# Altium PCB K210_Board.PcbDoc (part 2 of 2)
Units mm, origin at the board's own origin, x right, y up, seen from the top; angles counter-clockwise.
Board outline 47.14 x 33.2 mm, 4 copper layers (Top Layer, GND, PWR, Bottom Layer), stack 1.369 mm thick; 95 components, 107 nets, 519 pads, 220 vias.
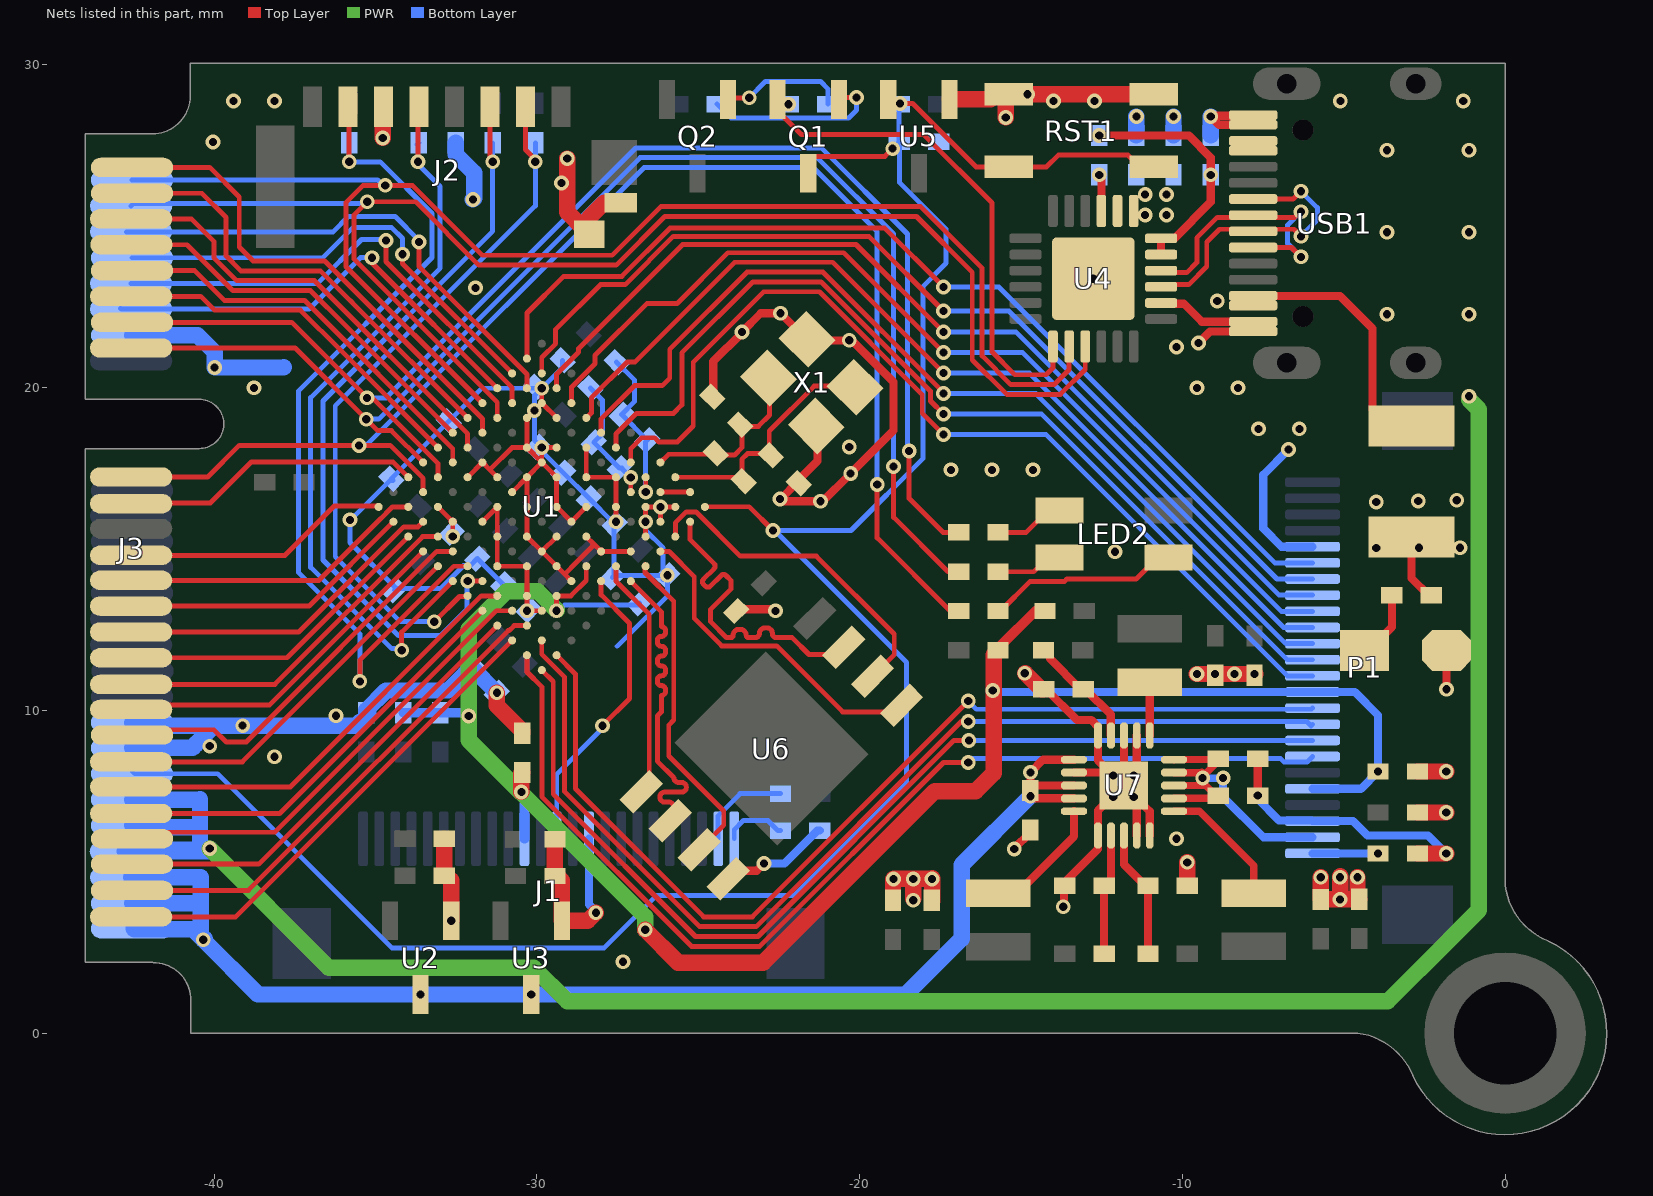
[diagram p4: the nets of this part, all layers, seen from the top]

## Via types
v1: diameter 0.457, hole 0.254, Top Layer to Bottom Layer, tented both sides, 220 vias

## Nets (pads, with @x,y where several pads share a name; then routed paths per layer and width w, separated by ;. In a path a pad name is that pad's centre, name@x,y a point inside that pad or via, vN(x,y) a via of type N, cw(c..) or ccw(c..) an arc to the next point about the centre after c; other vN are vias at no path point) (continued)
DVP_XCLK: J1.13 U1.F2 | length 9.3
  Top Layer w0.152: U1.F2@-28.009,14.004 -28.009,13.576 -27.131,12.698 -27.131,10.358 v1(-27.969,9.52)
  Bottom Layer w0.152: J1.13@-29.384,6.02 -29.384,8.021 -27.969,9.436 v1(-27.969,9.52)
FLASH_CLK: U1.K1 U6.6 | length 10.5
  Top Layer w0.152: U1.K1@-25.711,15.383 -25.711,15.811 -25.372,16.15 -25.067,16.15 -23.696,14.778 -21.34,14.778 -18.927,12.365 -18.927,11.723 U6.6@-19.596,11.053
FLASH_CS: U1.G2 U6.1 | length 7.5
  Top Layer w0.152: U1.G2@-27.549,14.464 -27.549,14.004 -26.519,12.973 -26.519,7.723 U6.1@-26.766,7.475
FLASH_IO0: U1.J1 U6.5 | length 10.4
  Top Layer w0.152: U1.J1@-26.17,14.923 -25.904,14.923 -25.124,14.143 -25.124,12.848 -24.275,11.998 -22.573,11.998 -20.527,9.952 -18.901,9.952 U6.5@-18.698,10.155
FLASH_IO1: U1.G1 U6.2 | length 10.1
  Top Layer w0.152: U1.G1@-27.09,14.004 -26.14,13.054 -26.14,12.594 cw(c-26.14,12.467) -26.013,12.467 -26.013,12.416 cw(c-26.14,12.416) -26.14,12.289 ccw(c-26.14,12.164) -26.265,12.164 -26.265,12.108 ccw(c-26.14,12.108) -26.14,11.984 cw(c-26.14,11.857) -26.013,11.857 -26.013,11.806 cw(c-26.14,11.806) -26.14,11.679 ccw(c-26.14,11.555) -26.265,11.555 -26.265,11.499 ccw(c-26.14,11.499) -26.14,11.374 cw(c-26.14,11.247) -26.013,11.247 -26.013,11.197 cw(c-26.14,11.197) -26.14,11.07 ccw(c-26.14,10.945) -26.265,10.945 -26.265,10.889 ccw(c-26.14,10.889) -26.14,10.765 cw(c-26.14,10.638) -26.013,10.638 -26.013,10.587 cw(c-26.14,10.587) -26.14,10.46 -26.14,9.949 -26.265,9.825 -26.265,8.425 -25.759,7.92 ccw(c-25.607,7.92) -25.607,7.768 -25.521,7.768 cw(c-25.521,7.615) -25.369,7.615 cw(c-25.521,7.615) -25.521,7.463 -26.04,7.463 ccw(c-26.04,7.31) -26.192,7.31 ccw(c-26.04,7.31) -26.04,7.158 -25.912,7.158 cw(c-25.912,7.006) -25.759,7.006 U6.2@-25.759,6.777
FLASH_IO2: U1.H1 U6.3 | length 10.3
  Top Layer w0.152: U1.H1@-26.648,14.524 -26.648,14.27 -25.759,13.381 -25.759,9.698 -25.915,9.542 -25.915,8.584 -24.21,6.879 -24.21,6.439 U6.3@-24.97,5.679
FLASH_IO3: U1.L1 U6.7 | length 10.2
  Top Layer w0.152: U1.L1@-25.251,15.794 -25.251,15.286 -24.507,14.542 cw(c-24.582,14.466) -24.507,14.391 -24.839,14.059 ccw(c-24.764,13.983) -24.839,13.908 -24.774,13.843 ccw(c-24.699,13.919) -24.623,13.843 -24.291,14.175 cw(c-24.216,14.1) -24.141,14.175 -23.981,14.016 -23.981,13.762 -24.616,13.127 -24.616,12.746 -24.122,12.252 -23.991,12.252 ccw(c-23.991,12.324) -23.919,12.324 cw(c-23.736,12.324) -23.736,12.507 -23.696,12.507 cw(c-23.696,12.324) -23.513,12.324 ccw(c-23.441,12.324) -23.441,12.252 -23.229,12.252 ccw(c-23.229,12.374) -23.106,12.374 cw(c-22.924,12.374) -22.924,12.557 -22.883,12.557 cw(c-22.883,12.374) -22.7,12.374 -22.7,12.368 ccw(c-22.584,12.368) -22.584,12.252 -22.09,12.252 -21.568,11.73 -20.679,11.73 U6.7@-20.552,11.857
GND: C1.1 C2.1 C3.1 C4.1 C5.2 C6.2 C7.1 C8.1 C9.2 C10.2 C11.2 C12.2 C13.2 C14.1 C15.1 C16.1 C17.1 C18.1 C19.1 C20.1 C21.2 C22.2 C23.2 C24.1 C25.1 C26.2 C27.2 C28.2 C29.2 C30.2 C31.2 C32.2 C33.2 C34.2 C35.2 C36.2 C37.1 C38.1 C39.1 C40.1 J1.15 J2.6 J2.9 J2.10 J3.14 J3.36 J3.38 LED1.2 P1.3 P1.20 R1.2 R7.1 R16.2 R22.2 R24.2 R27.2 R28.2 RST1.1 U1.C3 U1.C4 U1.C6 U1.C9 U1.C10 U1.D5 U1.D7 U1.D8 U1.E3 U1.E4 U1.E5 U1.E6 U1.E8 U1.E10 U1.F5 U1.F7 U1.F8 U1.F9 U1.F10 U1.G3 U1.G4 U1.G5 U1.G6 U1.G8 U1.H2 U1.H5 U1.H7 U1.H8 U1.H9 U1.J2 U1.J4 U1.J6 U1.J8 U1.J10 U1.K2 U1.K3 U1.K5 U1.K7 U1.K9 U1.K10 U1.L2 U2.1 U3.1 U4.2 U4.25 U5.1 U6.4 U7.1 U7.4 U7.5 U7.12 U7.13 U7.15 U7.17 U7.21 USB1.A1 USB1.A12 USB1.B1 USB1.B12 X1.2 X1.4 | length 179.7
  Top Layer w0.152: U1.C10@-33.065,16.302 U1.C9@-32.605,15.842 ; v1(-32.605,15.383) U1.C9@-32.605,15.837 ; U1.E10@-32.146,17.221 U1.F10@-31.686,17.681 -31.456,17.451 ; U1.D8@-31.686,15.842 U1.E8@-31.226,16.302 ; U1.E8@-31.226,16.302 U1.D7@-31.226,15.383 U1.C6@-31.226,14.464 U1.D5@-30.307,14.464 U1.C4@-30.307,13.544 v1@-30.307,13.085 ; U1.F9@-31.226,17.221 -31.456,17.451 ; U1.F8@-30.767,16.762 U1.G8@-30.307,17.221 ; v1(-30.307,13.085) U1.C3@-29.847,13.085 ; U1.E5@-29.847,14.923 U1.E6@-30.307,15.383 U1.F7@-30.307,16.302 U1.G8@-30.307,17.221 ; U1.H8@-29.847,17.687 v1(-29.847,18.14) ; v1(-29.847,18.14) U1.J8@-29.388,18.14 ; U1.K10@-29.847,19.525 v1(-29.847,19.979) ; U1.F5@-29.389,15.381 U1.E5@-29.847,14.923 U1.E4@-29.388,14.464 -29.14,14.216 ; U1.K9@-29.388,19.06 U1.K10@-29.847,19.519 v1(-30.077,19.29) U1.J10@-30.307,19.06 U1.H9@-30.307,18.14 ; U1.E3@-28.928,14.004 -29.14,14.216 ; U1.H5@-28.469,16.302 U1.G5@-28.928,15.842 U1.G6@-29.388,16.302 U1.H7@-29.388,17.221 U1.H8@-29.847,17.681 ; U1.K7@-28.469,18.14 U1.J6@-28.469,17.221 U1.K5@-27.549,17.221 U1.J4@-27.549,16.302 ; U1.G4@-28.469,15.383 -28.238,15.152 ; v1(-27.549,15.843) U1.J4@-27.549,16.296 ; U1.H2@-27.09,14.923 U1.G3@-28.009,14.923 -28.238,15.152 ; U1.J2@-26.63,15.383 v1(-26.63,15.843) U1.K3@-26.63,16.296 ; U1.K3@-26.63,16.302 v1(-26.171,16.302) U1.K2@-26.171,15.848 ; v1(-26.171,16.302) U1.L2@-25.711,16.302 ; -31.456,17.451 -30.767,18.14 U1.H9@-30.307,18.14 ; U1.G8@-30.307,17.221 U1.H8@-29.847,17.681 ; U1.H9@-30.307,18.14 U1.H8@-29.847,17.681 ; -29.14,14.216 -28.771,14.584 -28.771,14.589 -28.238,15.122 -28.238,15.152
  Top Layer w0.254: C13.2@-24.536,19.787 -24.536,20.803 -23.647,21.692 v1(-23.647,21.717) -23.063,22.301 v1(-22.454,22.301) -21.648,21.495 X1.4@-21.625,21.495 -21.59,21.46 -20.241,21.46 -18.948,20.168 -18.948,18.668 v1(-20.278,17.338) -20.319,17.297 -21.132,16.485 v1@-21.285,16.485 ; U6.4@-24.072,4.781 -23.824,5.029 -23.19,5.029 v1(-22.965,5.253) ; C20.1@-23.828,13.077 -23.774,13.131 -22.656,13.131 v1(-22.606,13.081) ; v1@-22.53,16.535 -22.421,16.535 -22.365,16.48 v1(-21.21,16.48) ; v1@-22.428,16.561 C10.2@-21.919,17.07 ; C10.2@-21.884,17.035 C10.2@-21.919,17.07 ; X1.2@-21.387,18.796 -21.307,18.716 -21.307,17.72 -21.938,17.089 C10.2@-21.919,17.07 ; v1(-15.21,5.704) -15.21,5.718 -14.71,6.218 C26.2@-14.71,6.279 ; C26.2@-14.837,6.152 C26.2@-14.71,6.279 ; C26.2@-14.71,6.294 C26.2@-14.71,6.279 ; R22.2@-14.294,10.651 -14.218,10.651 -13.265,9.698 -12.822,9.698 -12.611,9.487 U7.15@-12.611,9.221 -12.611,8.443 -12.462,8.294 -12.434,8.294 U7.21@-12.211,8.071 ; v1(-13.691,3.912) -13.667,3.935 -13.667,4.548 R27.2@-13.691,4.572 ; R27.2@-13.64,4.547 -13.579,4.547 -13.64,4.607 -13.64,4.674 -12.611,5.702 U7.1@-12.611,6.121 -12.611,6.899 -12.462,7.048 -12.434,7.048 -12.141,7.341 U7.21@-12.141,7.417 ; U7.17@-13.361,8.071 U7.21@-12.211,8.071 ; U7.21@-12.167,7.95 -12.167,8.026 U7.21@-12.211,8.071 ; U7.21@-11.811,8.077 U7.13@-11.811,9.221 ; U7.21@-11.481,7.29 U7.21@-11.455,7.29 ; U7.21@-11.481,7.315 U7.21@-11.455,7.29 ; U7.4@-11.411,6.121 -11.411,7.245 U7.21@-11.455,7.29 ; U7.12@-11.411,9.221 -11.411,8.185 U7.21@-11.405,8.179 ; U7.5@-11.011,6.121 -11.011,6.871 -11.43,7.29 U7.21@-11.455,7.29 ; U4.2@-10.66,22.621 -10.637,22.598 -9.958,22.598 -9.4,22.04 USB1.B12@-7.807,22.04 ; v1(-9.503,21.382) -9.145,21.74 USB1.A1@-7.807,21.74 ; USB1.B1@-7.807,28.14 -8.864,28.14 v1(-9.122,28.399) -9.101,28.419 -7.828,28.419 USB1.A12@-7.807,28.44 ; v1(-7.665,7.357) C23.2@-7.665,8.5 ; v1(-1.82,10.65) LED1.2@-1.82,11.857
  Top Layer w0.508: v1(-34.776,27.732) -34.776,28.679 J2.6@-34.753,28.702 ; C2.1@-32.869,6.015 C1.1@-32.869,4.872 -32.793,4.872 -32.654,4.733 v1(-32.654,3.48) ; v1(-31.239,10.543) -31.239,10.149 -30.458,9.368 C5.2@-30.458,9.292 ; C4.1@-29.44,6.01 C3.1@-29.44,4.867 -29.364,4.867 -29.225,4.728 U3.1@-29.225,3.48 -28.421,3.48 v1(-28.172,3.729) ; v1(-29.061,27.097) -29.061,25.435 -28.599,24.973 -28.599,24.923 -28.428,24.752 J2.9@-28.378,24.752 -28.378,25.267 -27.915,25.73 -27.606,25.73 -27.603,25.727 J2.10@-27.403,25.727 ; C40.1@-18.967,4.116 -18.967,4.757 v1(-18.948,4.775) v1(-18.339,4.775) ; v1@-18.339,4.166 v1(-18.339,4.775) ; C39.1@-17.755,4.089 v1(-17.755,4.775) ; v1@-17.755,4.801 -17.78,4.775 v1(-18.339,4.775) ; U5.1@-17.215,28.926 -15.945,28.926 -15.785,29.086 RST1.1@-15.385,29.086 ; v1(-15.472,28.367) -15.472,28.999 RST1.1@-15.385,29.086 ; v1@-14.871,11.151 -14.371,10.651 R22.2@-14.294,10.651 ; RST1.1@-10.885,29.086 v1(-14.795,29.086) RST1.1@-15.385,29.086 ; R24.2@-9.848,4.559 v1(-9.848,5.289) ; v1(-9.55,11.125) v1(-8.986,11.125) v1(-8.382,11.125) v1(-7.765,11.125) C25.1@-7.747,11.125 ; v1@-5.719,4.83 C38.1@-5.719,4.141 v1(-5.118,4.141) C37.1@-4.576,4.141 ; v1@-5.109,4.166 v1@-5.109,4.855 ; v1@-4.576,4.83 C37.1@-4.576,4.141 ; C37.1@-4.517,4.147 -4.517,4.141 C37.1@-4.576,4.141 ; R16.2@-2.718,5.563 v1(-1.828,5.563) ; C11.2@-2.718,6.833 v1(-1.828,6.833) ; C14.1@-2.718,8.103 v1(-1.828,8.103)
  Bottom Layer w0.152: C16.1@-34.456,17.123 C16.1@-34.458,17.125 ; C15.1@-34.414,13.718 C15.1@-34.36,13.772 ; C31.2@-31.047,13.904 C32.2@-31.845,14.702 -32.066,14.481 -32.273,14.481 -32.982,13.772 C15.1@-34.36,13.772 ; R28.2@-29.201,20.843 -29.201,20.625 v1(-29.847,19.979) ; C22.2@-27.664,14.118 C22.2@-27.61,14.172 ; -27.512,11.984 -25.956,13.539 v1(-25.956,14.183) C19.1@-25.967,14.172 ; v1(-26.63,15.843) -26.63,15.573 -26.089,15.032 C19.1@-26.089,14.172 ; v1@-26.191,16.281 v1(-26.171,16.302) ; C16.1@-34.458,17.125 -34.538,17.125 -35.763,15.9 v1(-35.789,15.9) -35.789,15.201 C15.1@-34.36,13.772 ; C16.1@-34.458,17.125 C16.1@-34.51,17.177 C17.1@-32.732,18.955 -31.708,19.979 v1(-29.847,19.979) ; v1(-29.847,19.979) -30.077,19.749 v1(-30.077,19.29) -30.077,18.37 v1(-29.847,18.14) -29.847,18.026 C35.2@-29.184,17.363 C29.2@-28.386,16.565 -27.664,15.843 v1(-27.549,15.843) -27.61,15.782 C22.2@-27.61,14.172 ; C22.2@-27.61,14.172 C19.1@-26.089,14.172 ; C19.1@-26.089,14.172 -26.089,14.05 C19.1@-25.967,14.172 ; C19.1@-26.089,14.172 C19.1@-25.967,14.172
  Bottom Layer w0.254: J1.15@-28.384,6.02 -28.384,3.982 -28.172,3.77 v1(-28.172,3.729) ; v1(-22.965,5.253) -22.331,5.253 -21.311,6.274 R1.2@-21.234,6.274 ; v1(-7.665,7.357) -7.665,7.247 -7.008,6.59 -5.991,6.59 P1.3@-5.968,6.567 -4.713,6.567 -4.267,6.121 -2.386,6.121 v1(-1.828,5.563) ; v1@-6.71,18.08 -7.493,17.297 -7.493,15.631 -6.929,15.067 P1.20@-5.968,15.067
  Bottom Layer w0.508: J3.38@-42.541,8.834 -40.669,8.834 -40.567,8.936 ; J3.36@-42.541,9.62 -42.509,9.652 -42.382,9.525 v1(-39.116,9.525) ; J3.14@-42.541,21.62 -40.513,21.62 -39.983,21.09 ; -40.567,8.961 -40.004,9.525 v1(-39.116,9.525) ; v1@-39.98,20.625 -39.98,21.087 -39.983,21.09 ; -37.846,20.625 -37.851,20.62 v1(-39.983,20.62) -39.983,21.09 ; R7.1@-35.284,9.927 -35.284,10.003 -34.675,10.612 -32.743,10.612 C18.1@-32.026,11.33 v1(-31.239,10.543) ; R7.1@-35.204,9.855 -35.438,9.622 -35.468,9.652 -35.595,9.525 v1(-39.116,9.525) ; C12.2@-32.512,27.584 -32.512,27.219 -31.944,26.65 -31.944,25.866 v1(-31.982,25.827) ; -15.385,29.086 v1(-14.795,29.086) ; C7.1@-11.425,27.808 v1(-11.425,28.399) ; C8.1@-10.274,27.808 v1(-10.274,28.399) ; C6.2@-9.122,27.808 v1(-9.122,28.399)
  other v1: -27.33,2.21 -18.339,4.115 -5.715,4.826 -5.118,4.826 -4.572,4.826 -10.185,6.02 -12.141,7.315 -11.506,7.315 -12.141,7.976 -11.506,7.976 -38.125,8.56 -40.132,8.89 -36.22,9.83 -14.885,11.151 -12.09,14.91 -22.47,16.543 -17.17,17.45 -15.9,17.45 -14.63,17.45 -6.709,18.08 -20.32,18.161 -7.645,18.72 -6.375,18.72 -38.76,19.99 -9.55,19.99 -8.28,19.99 -10.185,21.26 -20.32,21.463 -31.902,23.089 -12.76,23.371 -29.235,26.34 -40.03,27.61 -39.395,28.88 -38.125,28.88 -13.995,28.88 -12.725,28.88 -5.105,28.88 -1.295,28.88
IO_6: J3.1 U1.G11 | length 15.4
  Top Layer w0.152: J3.1@-42.541,26.82 -40.138,26.82 -39.221,25.903 -39.221,24.353 -38.79,23.922 -36.577,23.922 -35.03,22.375 -35.03,22.373 -31.686,19.028 U1.G11@-31.686,18.6
IO_7: J3.3 U1.G12 | length 14.1
  Top Layer w0.152: J3.3@-42.541,26.02 -40.38,26.02 -39.628,25.268 -39.628,24.074 -39.17,23.617 -36.706,23.617 -35.791,22.703 ; -35.712,22.627 -35.789,22.703 -35.791,22.703 ; U1.G12@-32.146,19.06 -32.148,19.06 -35.714,22.625 -35.791,22.703
IO_8: J3.5 U1.F11 | length 13.9
  Top Layer w0.152: J3.5@-42.57,25.227 -40.704,25.227 -40.009,24.532 -40.009,24.024 -39.297,23.312 -36.889,23.312 -32.146,18.569 U1.F11@-32.146,18.14
IO_9: J3.7 U1.F12 | length 12.4
  Top Layer w0.152: J3.7@-42.562,24.425 -40.84,24.425 -39.423,23.008 -37.015,23.008 -35.923,21.915 -35.92,21.915 U1.F12@-32.605,18.6
IO_10: J3.9 U1.E11 | length 12.6
  Top Layer w0.152: J3.9@-42.541,23.62 -40.598,23.62 -39.681,22.703 -37.199,22.703 -32.605,18.109 U1.E11@-32.605,17.681
IO_11: J3.11 U1.E12 | length 11.4
  Top Layer w0.152: J3.11@-42.57,22.827 -40.412,22.827 -39.983,22.398 -37.325,22.398 -36.081,21.153 -36.078,21.153 U1.E12@-33.065,18.14
IO_12: J3.13 R18.2 U1.D11 | length 43
  Top Layer w0.152: J3.13@-42.541,22.02 -37.599,22.02 v1(-35.259,19.68) -35.096,19.68 -33.065,17.649 U1.D11@-33.065,17.221 ; v1(-18.466,18.034) -18.466,16.561 -17.416,15.511 R18.2@-16.929,15.511
  Bottom Layer w0.152: v1(-35.259,19.68) -34.674,19.68 -26.927,27.427 -21.188,27.427 -18.517,24.756 -18.517,18.085 v1(-18.466,18.034)
IO_13: J3.15 R19.2 U1.D12 | length 42.7
  Top Layer w0.152: J3.15@-42.57,21.227 -37.492,21.227 v1(-35.284,19.02) -34.929,18.664 -34.508,18.664 U1.D12@-33.524,17.681 ; v1(-18.948,17.551) -18.948,15.977 -17.264,14.292 R19.2@-16.929,14.292
  Bottom Layer w0.152: v1(-35.284,19.02) -34.903,19.02 -26.8,27.122 -21.314,27.122 -18.948,24.757 v1(-18.948,17.551)
IO_14: J3.17 R20.2 U1.C11 | length 43.7
  Top Layer w0.152: J3.17@-42.57,17.227 -40.201,17.227 -39.221,18.207 v1(-35.513,18.207) -34.542,18.207 -33.524,17.19 U1.C11@-33.524,16.762 ; v1(-19.456,16.993) -19.456,15.342 -17.192,13.077 R20.2@-16.929,13.077
  Bottom Layer w0.152: v1(-35.513,18.207) -35.285,18.207 -26.674,26.818 -21.44,26.818 -19.456,24.834 v1(-19.456,16.993)
IO_15: J3.19 U1.C12 | length 9.3
  Top Layer w0.152: J3.19@-42.57,16.402 -42.544,16.429 -40.11,16.429 -38.84,17.699 -34.462,17.699 U1.C12@-33.984,17.221
IO_17: J3.23 U1.A12 | length 8.3
  Top Layer w0.152: J3.23@-42.57,14.802 -37.801,14.802 -36.271,16.332 -34.933,16.332 U1.A12@-34.903,16.302
IO_18: J3.25 U1.B11 | length 9.5
  Top Layer w0.152: J3.25@-42.57,14.027 -36.75,14.027 -34.829,15.948 -34.826,15.948 -34.55,16.225 -34.55,16.227 -34.475,16.302 U1.B11@-33.984,16.302
IO_19: J3.27 U1.A11 | length 9.2
  Top Layer w0.152: J3.27@-42.57,13.227 -37.059,13.227 U1.A11@-34.444,15.842
IO_20: J3.29 U1.B10 | length 10.5
  Top Layer w0.152: J3.29@-42.57,12.427 -37.381,12.427 -34.123,15.686 -33.681,15.686 U1.B10@-33.524,15.842
IO_21: J3.31 U1.A10 | length 10.1
  Top Layer w0.152: J3.31@-42.57,11.627 -37.74,11.627 U1.A10@-33.984,15.383
IO_22: J3.33 U1.B9 | length 11.4
  Top Layer w0.152: J3.33@-42.57,10.802 -38.118,10.802 -33.538,15.383 U1.B9@-33.065,15.383
IO_23: J3.35 U1.A9 | length 11.1
  Top Layer w0.152: J3.35@-42.57,10.027 -42.437,10.16 -38.288,10.16 U1.A9@-33.524,14.923
IO_24: J3.37 U1.B8 | length 12.6
  Top Layer w0.152: J3.37@-42.52,9.246 -42.367,9.398 -40.005,9.398 -39.624,9.017 -39.002,9.017 -33.096,14.923 U1.B8@-32.605,14.923
IO_25: J3.39 U1.A8 | length 12
  Top Layer w0.152: J3.39@-42.57,8.402 -39.126,8.402 U1.A8@-33.065,14.464
IO_26: J2.7 R17.2 U1.B7 | length 27.7
  Top Layer w0.152: J2.7@-35.853,28.702 -35.814,28.663 v1(-35.814,26.994) ; v1(-35.484,10.897) -35.484,11.553 -32.574,14.464 U1.B7@-32.146,14.464
  Bottom Layer w0.152: R17.2@-35.814,27.584 v1(-35.814,26.994) -34.852,26.994 -33.249,25.391 -33.249,24.028 -37.389,19.888 -37.389,14.275 -35.484,12.37 v1(-35.484,10.897)
IO_27: J2.5 R15.2 U1.A7 | length 23.5
  Top Layer w0.152: v1@-34.188,11.913 -34.188,12.421 U1.A7@-32.605,14.004 ; v1(-33.684,26.994) -33.684,28.671 J2.5@-33.653,28.702
  Bottom Layer w0.152: v1(-34.188,11.862) -34.237,11.91 -34.491,11.91 -37.008,14.427 -37.008,19.685 -32.995,23.698 -32.995,26.229 -33.684,26.918 v1(-33.684,26.994) -33.684,27.505 -33.709,27.53 R15.2@-33.655,27.584
IO_28: J2.3 R14.2 U1.B6 | length 24
  Top Layer w0.152: v1(-32.139,14.004) U1.B6@-31.686,14.004 ; U1.B6@-31.698,14.016 U1.B6@-31.686,14.004 ; U1.B6@-31.68,14.004 U1.B6@-31.686,14.004 ; J2.3@-31.453,28.702 -31.453,27.147 -31.369,27.063 v1(-31.369,26.994)
  Bottom Layer w0.152: v1(-32.139,14.004) -32.16,13.983 -32.16,13.151 -32.997,12.314 -34.285,12.314 -36.627,14.656 -36.627,19.583 -31.369,24.841 v1(-31.369,26.994) R14.2@-31.369,27.584
IO_29: J2.2 R12.2 U1.A6 | length 22.5
  Top Layer w0.152: v1(-33.176,12.746) -32.396,13.526 -32.164,13.526 U1.A6@-32.146,13.544 ; J2.2@-30.353,28.702 -30.353,27.368 -30.048,27.063 v1(-30.048,26.994)
  Bottom Layer w0.152: v1(-33.176,12.746) -34.232,12.746 -36.246,14.76 -36.246,19.431 -30.048,25.629 v1(-30.048,26.994) R12.2@-30.048,27.584
IO_30: J3.41 U1.B5 | length 13.8
  Top Layer w0.152: J3.41@-42.57,7.627 -37.635,7.627 -31.717,13.544 U1.B5@-31.226,13.544
IO_31: J3.43 U1.A5 | length 13.5
  Top Layer w0.152: J3.43@-42.57,6.802 -37.968,6.802 U1.A5@-31.686,13.085
IO_32: J3.45 U1.B4 | length 14.7
  Top Layer w0.152: J3.45@-42.541,6.02 -42.338,6.223 -38.119,6.223 -31.258,13.085 U1.B4@-30.767,13.085
IO_33: J3.47 U1.A4 | length 14.4
  Top Layer w0.152: J3.47@-42.541,5.234 -38.617,5.234 U1.A4@-31.226,12.625
IO_34: J3.49 U1.B3 | length 15.6
  Top Layer w0.152: J3.49@-42.541,4.42 -38.94,4.42 -30.892,12.468 -30.863,12.468 -30.706,12.625 U1.B3@-30.307,12.625
IO_35: J3.51 U1.A3 | length 15.4
  Top Layer w0.152: J3.51@-42.57,3.602 -39.33,3.602 U1.A3@-30.767,12.165
IO_36: P1.7 U1.A2 | length 32.9
  Top Layer w0.152: U1.A2@-30.307,11.706 -30.307,11.186 -29.846,10.725 -29.846,7.323 -25.21,2.688 -23.094,2.688 -17.4,8.382 v1(-16.637,8.382)
  Bottom Layer w0.152: v1(-16.637,8.382) -16.51,8.509 -6.963,8.509 -6.848,8.395 -6.141,8.395 P1.7@-5.968,8.567
IO_37: P1.8 U1.A1 | length 31.9
  Top Layer w0.152: U1.A1@-29.847,11.246 -29.493,10.892 -29.493,7.401 -25.084,2.992 -23.149,2.992 -17.078,9.063 v1(-16.615,9.063)
  Bottom Layer w0.152: v1(-16.615,9.063) -5.972,9.063 P1.8@-5.968,9.067
IO_38: P1.9 U1.B2 | length 32.6
  Top Layer w0.152: U1.B2@-29.847,12.165 -29.847,11.737 -29.137,11.027 -29.137,7.477 -24.958,3.297 -23.203,3.297 -16.848,9.652 v1(-16.637,9.652)
  Bottom Layer w0.152: v1(-16.637,9.652) -6.147,9.652 -6.015,9.52 P1.9@-5.968,9.567
IO_39: P1.10 U1.B1 | length 31.7
  Top Layer w0.152: U1.B1@-29.388,11.706 -28.807,11.125 -28.807,7.578 -24.832,3.602 -23.322,3.602 v1(-16.637,10.287)
  Bottom Layer w0.152: v1(-16.637,10.287) -16.383,10.033 -6.002,10.033 P1.10@-5.968,10.067
ISP_RX: J3.4 U1.H11 U4.21 | length 44.8
  Top Layer w0.152: v1@-35.255,25.73 v1@-35.306,25.73 ; U1.H11@-31.226,19.06 -31.226,19.543 -35.662,23.978 -35.662,25.349 -35.306,25.705 v1@-35.306,25.73 ; U4.21@-13.01,21.271 -13.01,20.557 -13.781,19.787 -15.442,19.787 -16.51,20.855 -16.51,23.571 -18.237,25.298 -26.036,25.298 -27.54,23.794 -31.795,23.794 -33.757,25.756 v1(-35.255,25.756) -35.281,25.756 v1@-35.306,25.73
  Bottom Layer w0.152: J3.4@-42.57,25.627 -42.49,25.707 -35.253,25.707 v1@-35.204,25.756
ISP_TX: J3.2 U1.H12 U4.20 | length 44.8
  Top Layer w0.152: v1@-34.696,26.238 -34.722,26.264 -35.382,26.264 -35.916,25.73 -35.916,23.749 U1.H12@-31.686,19.519 ; v1(-34.696,26.264) -33.858,26.264 -31.693,24.099 -27.667,24.099 -26.162,25.603 -18.11,25.603 -16.205,23.698 ; -16.205,23.697 -16.205,20.981 -15.315,20.091 -13.976,20.091 -13.51,20.557 U4.20@-13.51,21.271
  Bottom Layer w0.152: J3.2@-42.541,26.434 -34.936,26.434 -34.791,26.289 v1@-34.696,26.289
JTAG_TCK: J3.6 U1.K11 | length 15.5
  Top Layer w0.152: v1(-33.655,24.511) -33.655,23.755 -30.307,20.407 U1.K11@-30.307,19.979
  Bottom Layer w0.152: J3.6@-42.723,24.816 -36.322,24.816 -35.839,25.298 -34.388,25.298 -33.655,24.565 v1(-33.655,24.511)
JTAG_TDI: J3.8 U1.K12 | length 14.6
  Top Layer w0.152: v1(-34.163,24.13) -34.163,23.835 U1.K12@-30.767,20.439
  Bottom Layer w0.152: J3.8@-42.541,24.02 J3.8@-42.541,24.02 -36.635,24.02 -35.692,24.963 -34.506,24.963 -34.163,24.62 v1(-34.163,24.13) v1@-34.265,24.028
JTAG_TDO: J3.12 U1.J12 | length 14.1
  Top Layer w0.152: v1(-35.106,24.024) -35.106,23.859 U1.J12@-31.226,19.979
  Bottom Layer w0.152: J3.12@-42.901,22.454 -42.874,22.427 J3.12@-42.57,22.427 -40.741,22.427 -40.74,22.428 -37.059,22.428 -35.463,24.024 v1(-35.106,24.024)
JTAG_TMS: J3.10 U1.J11 | length 15.2
  Top Layer w0.152: v1(-34.675,24.557) -34.675,23.9 -30.767,19.992 U1.J11@-30.767,19.519
  Bottom Layer w0.152: J3.10@-42.57,23.227 -36.793,23.227 -35.433,24.587 -34.798,24.587 -34.772,24.613 v1@-34.62,24.613
NetC6_1: C6.1 R6.2 U4.5 U4.6 | length 7.6
  Top Layer w0.254: v1(-12.577,27.808) -9.8,27.808 -9.122,27.131 v1(-9.122,26.589) -9.122,25.745 -10.246,24.621 U4.6@-10.66,24.621 U4.5@-10.66,24.121
NetC10_1: C10.1 R9.2 U1.M3 X1.3 | length 7.7
  Top Layer w0.152: U1.M3@-25.711,17.221 -23.774,17.221 -23.704,17.151 R9.2@-23.649,17.151 ; R9.2@-23.596,17.097 R9.2@-23.649,17.151 ; R9.2@-23.571,17.12 -23.603,17.151 R9.2@-23.649,17.151 ; C10.1@-22.86,17.932 -22.878,17.951 -23.473,17.951 -23.649,17.774 R9.2@-23.649,17.151 ; C10.1@-22.746,17.897 -22.8,17.951 -22.8,18.653 -21.407,20.046 -20.376,20.046 X1.3@-20.269,19.939
NetC13_1: C13.1 R9.1 U1.M4 X1.1 | length 5.7
  Top Layer w0.152: U1.M4@-26.17,17.681 -25.919,17.932 R9.1@-24.511,17.932 ; R9.1@-24.511,17.905 R9.1@-24.404,17.905 ; R9.1@-24.458,17.959 R9.1@-24.404,17.905 ; C13.1@-23.7,18.851 -23.647,18.797 -23.138,18.797 -22.792,19.144 -22.792,20.226 X1.1@-22.86,20.295 ; C13.1@-23.647,18.744 -23.647,18.136 -23.878,17.905 R9.1@-24.404,17.905
NetC41_1: C41.1 C42.1 R25.1 U1.L4 | length 5.2
  Top Layer w0.152: U1.L4@-26.63,17.221 -26.623,17.214 U1.L4@-26.623,17.22 ; v1(-26.626,16.764) U1.L4@-26.626,17.218
  Bottom Layer w0.152: R25.1@-27.531,20.789 -26.978,20.237 -26.978,19.562 C42.1@-27.376,19.165 C41.1@-26.578,18.367 -26.632,18.313 -26.632,16.77 v1@-26.623,16.761
NetC41_2: C41.2 C42.2 R28.1 U1.K4 | length 4
  Top Layer w0.152: U1.K4@-27.09,16.756 U1.K4@-27.09,16.762 ; v1(-27.09,17.215) U1.K4@-27.09,16.762 ; U1.K4@-27.08,16.771 U1.K4@-27.09,16.762
  Bottom Layer w0.152: R28.1@-28.339,19.981 -27.966,19.608 -27.966,18.574 C42.2@-28.238,18.302 C41.2@-27.44,17.505 C41.2@-27.379,17.505 ; C41.2@-27.368,17.505 C41.2@-27.379,17.505 ; v1(-27.09,17.215) C41.2@-27.379,17.505
NetJ1_23: J1.23 R2.1 | length 2.9
  Bottom Layer w0.152: J1.23@-24.384,6.02 -24.384,6.733 -23.701,7.417 R2.1@-22.454,7.417
NetJ1_24: J1.24 R1.1 | length 2
  Bottom Layer w0.152: J1.24@-23.884,6.02 -23.884,6.301 -23.6,6.585 -22.841,6.585 -22.53,6.274 R1.1@-22.454,6.274
NetL1_1: L1.1 U7.11 | length 1.7
  Top Layer w0.254: L1.1@-11.018,10.875 -11.011,10.868 U7.11@-11.011,9.221
NetL2_1: L2.1 U7.6 | length 4
  Top Layer w0.229: U7.6@-10.261,6.871 -9.47,6.871 -7.791,5.192 L2.1@-7.791,4.334
NetL3_1: L3.1 U7.20 | length 3.8
  Top Layer w0.254: L3.1@-15.701,4.331 -15.126,4.331 -13.361,6.096 U7.20@-13.361,6.871
NetLED1_1: LED1.1 R13.2 | length 2.1
  Top Layer w0.254: LED1.1@-4.36,11.857 -4.233,11.857 -3.509,12.581 R13.2@-3.509,13.559
NetLED2_1: LED2.1 R18.1 | length 2.2
  Top Layer w0.152: R18.1@-15.71,15.511 -14.836,15.511 -14.159,16.189 LED2.1@-13.809,16.189
NetLED2_2: LED2.2 R19.1 | length 2.1
  Top Layer w0.152: R19.1@-15.71,14.292 -14.606,14.292 -14.159,14.739 LED2.2@-13.809,14.739
NetLED2_3: LED2.3 R20.1 | length 6
  Top Layer w0.152: R20.1@-15.71,13.077 -15.634,13.077 -14.716,13.995 -13.648,13.995 -13.577,14.067 -11.434,14.067 -10.762,14.739 LED2.3@-10.43,14.739
NetP1_1: P1.1 R16.1 | length 2
  Bottom Layer w0.254: P1.1@-5.968,5.567 v1(-3.941,5.567)
NetQ1_1: Q1.1 R10.2 | length 5.6
  Top Layer w0.152: Q1.1@-20.644,28.926 -20.587,28.983 v1(-20.094,28.983)
  Bottom Layer w0.152: R10.2@-24.413,28.78 -23.981,28.348 -20.343,28.348 -20.094,28.597 v1(-20.094,28.983)
NetQ2_1: Q2.1 R11.2 | length 4.1
  Top Layer w0.152: Q2.1@-24.073,28.926 -24.073,29.135 -23.914,28.977 v1(-23.422,28.977)
  Bottom Layer w0.152: v1(-23.422,28.977) -22.914,29.485 -21.213,29.485 -20.984,29.256 R11.2@-20.984,28.78
NetR6_1: R6.1 U4.9 | length 1.1
  Top Layer w0.254: v1(-12.577,26.589) -12.577,26.548 -12.51,26.481 U4.9@-12.51,25.471
NetR21_1: R21.1 R22.1 U7.14 | length 3.6
  Top Layer w0.254: R21.1@-14.304,11.857 -14.228,11.857 -14.101,11.73 -14.101,11.6 -13.151,10.651 R22.1@-13.075,10.651 -12.999,10.651 -12.218,9.87 -12.218,9.228 U7.14@-12.211,9.221
NetR23_1: R23.1 R24.1 U7.3 | length 4
  Top Layer w0.254: U7.3@-11.811,6.121 -11.811,5.226 -11.144,4.559 R24.1@-11.068,4.559 R23.1@-11.068,2.46
NetR26_1: R26.1 R27.1 U7.2 | length 3.8
  Top Layer w0.254: R26.1@-12.424,2.457 R27.1@-12.424,4.559 -12.348,4.559 -12.211,4.696 U7.2@-12.211,6.121
NetU1_L3: U1.L3 U1.M2 | length 0.9
  Top Layer w0.152: U1.L3@-26.17,16.762 U1.M2@-25.251,16.762
RESETN: C9.1 J3.40 Q1.3 R8.1 RST1.2 U1.M1 U5.2 | length 70.6
  Top Layer w0.152: U1.M1@-24.792,16.305 -24.79,16.307 -23.419,16.307 v1(-22.682,15.57) ; Q1.3@-21.594,26.64 -21.594,26.99 -21.42,27.164 -19.216,27.164 v1(-18.977,27.402) ; U5.2@-19.115,28.926 -18.988,28.799 v1(-18.749,28.799) -18.359,28.799 -16.396,26.836 RST1.2@-15.385,26.836 -14.21,26.836 -13.847,27.199 -11.685,27.199 -11.322,26.836 RST1.2@-10.885,26.836
  Bottom Layer w0.152: J3.40@-42.523,8.098 -42.459,8.034 -39.886,8.034 -34.493,2.642 -27.915,2.642 -26.289,4.267 -22.022,4.267 -18.542,7.747 -18.542,11.481 v1@-22.631,15.57 ; v1(-22.682,15.57) v1@-22.631,15.57 ; C9.1@-18.999,27.407 -18.974,27.407 C9.1@-18.771,27.61 ; R8.1@-18.774,28.78 -18.774,27.613 C9.1@-18.771,27.61 ; C9.1@-18.745,27.584 C9.1@-18.771,27.61 ; v1@-22.631,15.57 -20.268,15.57 -18.034,17.804 -18.034,23.139 -17.323,23.851 -17.323,24.908 -18.771,26.356 C9.1@-18.771,27.61
RTS: Q1.2 R11.1 U4.19 | length 16.1
  Top Layer w0.152: v1(-22.203,28.78) -22.397,28.78 Q1.2@-22.544,28.926 -22.544,28.576 -21.801,27.834 -18.012,27.834 -15.9,25.722 -15.9,21.107 -15.189,20.396 -14.224,20.396 -14.01,20.61 U4.19@-14.01,21.271
SPI0_D0: P1.19 U1.L12 | length 31.1
  Top Layer w0.152: U1.L12@-30.307,20.898 -30.307,22.309 -29.172,23.444 -27.368,23.444 -25.874,24.938 -19.223,24.938 v1(-17.399,23.114)
  Bottom Layer w0.152: v1(-17.399,23.114) -15.686,23.114 -7.138,14.567 P1.19@-5.968,14.567
SPI0_D1: P1.18 U1.L11 | length 30.6
  Top Layer w0.152: U1.L11@-29.847,20.439 -29.847,20.93 -29.418,21.359 -29.418,21.801 -28.029,23.19 -27.263,23.19 -25.769,24.684 -19.714,24.684 v1(-17.403,22.373)
  Bottom Layer w0.152: v1(-17.403,22.373) -15.375,22.373 -7.069,14.067 P1.18@-5.968,14.067
SPI0_D2: P1.17 U1.L10 | length 30.1
  Top Layer w0.152: U1.L10@-29.388,19.979 -29.388,20.42 -28.706,21.103 -28.706,21.209 -25.484,24.43 -20.112,24.43 v1(-17.399,21.717)
  Bottom Layer w0.152: v1(-17.399,21.717) -15.151,21.717 -7,13.567 P1.17@-5.968,13.567
SPI0_D3: P1.16 U1.L9 | length 29.9
  Top Layer w0.152: U1.L9@-28.928,19.519 -28.928,20.01 -28.198,20.741 -28.198,20.998 -26.595,22.601 -25.659,22.601 -24.084,24.176 -20.493,24.176 v1(-17.399,21.082)
  Bottom Layer w0.152: v1(-17.399,21.082) -14.947,21.082 -6.931,13.067 P1.16@-5.968,13.067
SPI0_D4: P1.15 U1.L8 | length 29.5
  Top Layer w0.152: U1.L8@-28.469,19.06 -28.464,19.06 -28.312,19.212 -28.312,19.678 -27.192,20.798 -26.954,20.798 -23.871,23.881 -20.833,23.881 v1(-17.399,20.447)
  Bottom Layer w0.152: v1(-17.399,20.447) -14.743,20.447 -6.862,12.567 P1.15@-5.968,12.567
SPI0_D5: P1.14 U1.L7 | length 29.7
  Top Layer w0.152: U1.L7@-28.009,18.6 -28.009,18.613 -28.016,18.62 -28.016,19.021 -26.976,20.061 -26.115,20.061 -25.883,20.293 -25.883,21.184 -23.49,23.576 -21.136,23.576 -17.399,19.84 v1(-17.399,19.812)
  Bottom Layer w0.152: v1(-17.399,19.812) -14.539,19.812 -6.793,12.067 P1.14@-5.968,12.067
SPI0_D6: P1.13 U1.L6 | length 29.9
  Top Layer w0.152: U1.L6@-27.549,18.14 -27.549,18.569 -26.921,19.198 -25.769,19.198 -25.505,19.461 -25.505,21.078 -23.312,23.272 -21.19,23.272 -17.805,19.887 -17.805,19.583 v1(-17.399,19.177)
  Bottom Layer w0.152: v1(-17.399,19.177) -14.358,19.177 -6.748,11.567 P1.13@-5.968,11.567
SPI0_D7: P1.12 U1.L5 | length 30.1
  Top Layer w0.152: U1.L5@-27.072,17.699 U1.L5@-27.09,17.681 -27.09,18.109 -26.756,18.443 -26.351,18.443 -26.222,18.314 -25.647,18.314 -25.153,18.807 -25.153,20.786 -22.972,22.967 -21.245,22.967 -18.059,19.781 -18.059,19.202 v1(-17.399,18.542)
  Bottom Layer w0.152: v1(-17.399,18.542) -14.223,18.542 -6.748,11.067 P1.12@-5.968,11.067
USB-PWR-DM: U4.4 USB1.A7 USB1.B7 | length 9
  Top Layer w0.152: U4.4@-10.66,23.621 -10.597,23.558 -9.867,23.558 -9.55,23.875 -9.55,24.638 -8.915,25.273 -7.874,25.273 USB1.A7@-7.807,25.34 -7.739,25.273 -6.528,25.273 -6.355,25.446 v1(-6.328,25.446) ; USB1.B7@-7.807,24.34 -6.62,24.34 v1(-6.328,24.049)
  Bottom Layer w0.152: v1(-6.328,24.049) -6.742,24.463 -6.742,25.032 v1(-6.328,25.446)
USB-PWR-DP: U4.3 USB1.A6 USB1.B6 | length 9.1
  Top Layer w0.152: U4.3@-10.66,23.121 -10.591,23.19 -9.804,23.19 -9.246,23.749 -9.246,24.511 -8.852,24.905 -7.871,24.905 USB1.A6@-7.807,24.84 -7.742,24.905 -6.54,24.905 -6.328,24.692 v1(-6.328,24.684) ; USB1.B6@-7.807,25.84 -6.569,25.84 v1(-6.328,26.081)
  Bottom Layer w0.152: v1(-6.328,24.684) -5.82,25.192 -5.82,25.573 v1(-6.328,26.081)
VBUS: C7.2 C8.2 F1.1 J3.42 J3.44 J3.46 U4.7 U4.8 USB1.A4 USB1.A9 USB1.B4 USB1.B9 | length 77.5
  Top Layer w0.254: USB1.A4@-7.807,22.54 USB1.B9@-7.807,22.8 ; USB1.B9@-7.807,22.84 USB1.B9@-7.807,22.8 ; F1.1@-2.899,18.804 -3.598,18.804 -4.106,19.312 -4.106,21.826 -5.114,22.835 -7.772,22.835 USB1.B9@-7.807,22.8
  PWR w0.508: v1(-40.132,5.715) -36.444,2.027 -30.094,2.027 -29.053,0.986 -3.634,0.986 -1.727,2.893 -1.727,2.896 -0.813,3.81 -0.813,19.321 v1@-1.121,19.629
  Bottom Layer w0.508: J3.46@-42.777,5.634 -42.772,5.629 J3.46@-42.631,5.629 ; J3.46@-42.672,5.588 J3.46@-42.631,5.629 ; J3.44@-42.541,6.434 -42.482,6.375 -40.437,6.375 ; J3.42@-42.541,7.234 -40.437,7.234 ; -40.437,7.239 -40.437,7.234 ; v1(-40.132,5.715) -40.218,5.629 J3.46@-42.579,5.629 ; J3.46@-42.631,5.629 J3.46@-42.579,5.629 ; J3.46@-42.579,5.629 -42.523,5.685 -40.433,5.685 -40.437,5.688 -40.437,6.375 ; -40.437,6.375 -40.437,7.234
  other v1: -1.121,19.731 -3.661,22.271 -1.121,22.271 -8.919,22.677 -3.661,24.811 -1.121,24.811 -11.154,25.344 -10.494,25.344 -11.154,25.979 -10.494,25.979 -3.661,27.351 -1.121,27.351
VCC_BANK: C5.1 C14.2 C19.2 J1.11 P1.5 P1.11 R3.2 R5.2 R29.1 R30.2 U1.D3 U1.F3 | length 59.7
  Top Layer w0.152: v1(-29.388,13.085) U1.D3@-29.388,13.538 ; U1.D3@-29.388,13.544 -28.945,13.544 -28.469,14.021 U1.F3@-28.469,14.464
  Top Layer w0.305: R30.2@-15.71,11.857 R30.2@-15.634,11.857 ; R30.2@-15.65,11.841 R30.2@-15.634,11.857 ; R29.1@-14.259,13.077 -14.262,13.081 -14.554,13.081 -15.634,12.001 R30.2@-15.634,11.857
  Top Layer w0.508: v1(-30.48,7.468) -30.48,8.051 C5.1@-30.458,8.072 ; v1(-26.645,3.2) -25.629,2.184 -22.987,2.184 -17.678,7.493 -16.407,7.493 -15.85,8.051 -15.85,11.718 R30.2@-15.71,11.857
  PWR w0.508: v1(-32.109,9.825) -32.109,12.519 -30.937,13.691 -29.972,13.691 v1@-29.388,13.106 ; v1@-32.106,9.83 -32.106,9.068 -30.505,7.468 v1(-30.48,7.468) -30.48,7.442 -26.645,3.607 v1(-26.645,3.2)
  Bottom Layer w0.152: v1(-29.388,13.085) -29.319,13.085 -29.138,13.267 -26.872,13.267 C19.2@-26.818,13.321
  Bottom Layer w0.254: v1(-15.875,10.617) -15.824,10.566 P1.11@-5.968,10.567 ; P1.5@-5.968,7.567 -4.473,7.567 v1(-3.937,8.103) -3.937,9.847 -4.657,10.566 P1.11@-5.968,10.567
  Bottom Layer w0.305: R5.2@-34.141,9.927 R3.2@-32.998,9.927 -32.211,9.927 v1(-32.109,9.825) ; v1(-30.48,7.468) -30.384,7.372 J1.11@-30.384,6.02
VIN: C23.1 C26.1 C27.1 F1.2 J3.48 J3.50 J3.52 P1.2 R13.1 U2.3 U3.3 U7.7 U7.8 U7.9 U7.10 U7.16 U7.18 U7.19 | length 59.3
  Top Layer w0.229: U7.7@-10.261,7.271 -10.255,7.277 -8.929,7.277 C27.1@-8.839,7.366 ; U7.8@-10.261,7.671 -9.274,7.671 -8.97,7.366 C27.1@-8.89,7.366 ; U7.9@-10.261,8.071 -9.404,8.071 v1@-9.398,8.077 ; U7.10@-10.261,8.471 -10.255,8.476 -8.934,8.476 -8.915,8.458 -8.966,8.407 -8.941,8.382 -9.373,7.95 v1(-9.373,7.899)
  Top Layer w0.254: U7.19@-13.361,7.271 -13.368,7.278 -14.728,7.278 C26.1@-14.786,7.336 ; U7.18@-13.361,7.671 -14.71,7.671 v1(-14.71,7.336) C26.1@-14.786,7.336 ; U7.16@-13.361,8.471 -14.313,8.471 v1(-14.707,8.077) -14.707,7.416 C26.1@-14.786,7.336 ; F1.2@-2.899,15.375 -2.899,14.092 -2.366,13.559 R13.1@-2.29,13.559
  Bottom Layer w0.152: J3.48@-42.57,4.827 J3.48@-42.556,4.812 ; J3.50@-42.556,3.99 J3.50@-42.541,3.975 ; J3.52@-42.541,3.234 -42.485,3.234 -40.733,3.234 -40.715,3.216 -40.39,2.891 v1(-40.339,2.891) ; J3.50@-42.541,4.02 J3.50@-42.541,3.975 ; J3.50@-42.523,3.958 J3.50@-42.541,3.975
  Bottom Layer w0.229: v1(-9.373,7.899) v1(-8.738,7.899) v1@-8.712,7.899
  Bottom Layer w0.254: v1(-8.738,7.899) -8.738,7.315 -7.489,6.067 P1.2@-5.968,6.067
  Bottom Layer w0.508: J3.48@-42.57,4.827 -40.412,4.827 ; J3.50@-42.541,4.02 -40.452,4.02 -40.415,3.983 ; J3.52@-42.498,3.246 -42.485,3.234 -42.468,3.216 -40.715,3.216 -40.664,3.216 v1(-40.339,2.891) -38.642,1.194 v1(-33.604,1.194) v1(-30.175,1.194) -18.567,1.194 -16.84,2.921 -16.84,5.207 v1@-14.711,7.336 ; -40.415,4.529 -40.415,3.983 ; -40.411,4.547 -40.412,4.548 -40.412,4.827 ; -40.411,4.826 -40.412,4.827 ; v1@-40.288,2.916 -40.415,3.043 -40.415,3.983
  other v1: -3.991,15.032 -2.667,15.037 -1.397,15.037 -3.991,16.454 -2.692,16.485 -1.499,16.51
pads on no net: J1.1 J1.P0 J2.1 J2.8 J2.G1 J2.G2 J3.16 J3.18 J3.20 J3.22 J3.24 J3.26 J3.28 J3.30 J3.32 J3.34 P1.6 P1.21 P1.22 P1.23 P1.24 P1.P0 U4.1 U4.10 U4.11 U4.12 U4.13 U4.14 U4.15 U4.16 U4.17 U4.18 U4.22 U4.24 U6.9 USB1.0 USB1.1 USB1.2 USB1.3 USB1.4 USB1.A5 USB1.A8 USB1.B5 USB1.B8

## Polygon pours and split planes (outlines as drawn)
3V3 on PWR "PWR-3V3" (solid, remove dead copper, pour order 52): -43.993,30.098 -43.993,-0.127 0.127,-0.127 0,30.048
VBUS on PWR "PWR-VBUS" (solid, remove dead copper, pour order 36): -10.084,26.441 -10.109,26.467 -11.811,26.467 -11.811,24.968 -11.735,24.892 -9.322,24.892 -9.322,21.793 -4.851,21.793 -4.851,18.263 -0.33,18.263 -0.305,18.237 -0.279,18.263 -0.279,29.845 -8.89,29.845 -8.788,29.743 -8.788,26.467
0V9 on PWR "PWR-0V9" (solid, remove dead copper, pour order 16): -29.769,22.277 -30.895,22.277 -32.455,20.717 -32.455,16.174 -32.077,15.796 -31.37,15.796 -31.204,15.63 -31.204,14.923 -29.826,13.544 -28.556,13.544 -20.806,5.795 -20.806,2.032 -19.276,2.032 -19.276,6.271 -24.714,11.709 -28.129,15.124 -28.129,16.241 -29.769,17.882
1V8 on PWR "PWR-1V8" (solid, remove dead copper, pour order 14): -29.21,19.507 -29.591,19.126 -29.591,17.958 -28.245,16.612 -28.245,15.609 -24.752,12.116 -9.525,12.116 -9.525,14.072 -21.675,14.072 -22.072,14.469 -24.206,14.469 -25.349,15.613 -25.349,17.399 -27.457,19.507
VIN on PWR "PWR-VIN" (solid, remove dead copper, pour order 6): -4.804,18.059 -4.804,10.512 -6.172,9.144 -15.218,9.144 -15.218,6.998 -0.004,7.023 -0.004,18.059
GND on Top Layer "Top Layer-GND" (solid, remove dead copper, pour order 58): -47.052,33.314 -47.052,-4.641 1.942,-4.641 2.774,-3.809 2.774,33.314 -40.252,33.314 -40.742,33.314
GND on Top Layer "Top Layer-GND 1" (solid, remove dead copper, pour order 50): -9.576,11.532 -9.804,11.278 -9.804,10.643 -9.627,10.465 -7.188,10.465 -7.01,10.643 -7.01,11.405 -7.137,11.532
VIN on Top Layer "Top Layer-VIN" (solid, remove dead copper, pour order 46): -14.884,8.636 -15.088,8.433 -15.088,7.163 -14.884,6.96 -14.148,6.96 -13.945,7.163 -13.945,8.585 -13.995,8.636
VIN on Top Layer "Top Layer-VIN 1" (solid, remove dead copper, pour order 44): -9.525,8.865 -9.728,8.661 -9.728,7.087 -9.627,6.985 -8.534,6.985 -8.407,7.112 -8.407,8.687 -8.585,8.865
VBUS on Top Layer "Top Layer-VBUS" (solid, remove dead copper, pour order 2): -8.64,27.864 -8.64,26.594 -6.172,26.594 -5.867,26.289 -5.867,24.333 -6.629,23.571 -9.275,23.571 -9.275,22.271 -4.804,22.271 -4.804,17.953 -4.931,17.826 -0.263,17.826 -0.232,27.864
GND on GND "GND-GND" (solid, remove dead copper, pour order 24): -43.993,30.066 -43.993,-0.208 0,-0.208 0,29.823
GND on Bottom Layer "Bottom Layer-GND" (solid, remove dead copper, pour order 56): -45.83,32.113 -46.574,31.369 -46.574,-3.038 -2.884,-3.038 -1.931,-3.991 2.831,-3.991 4.813,-2.009 4.813,30.045 2.565,32.293

## Other copper
Top Layer:
  pour cut-out: -22.078,20.406 -22.57,19.914 -22.57,19.835 -22.391,19.835 -22.169,19.613 -21.572,20.21 -21.673,20.21 -21.957,20.494
  pour cut-out: -40.132,26.924 -40.005,26.797 -38.735,26.797 -38.735,24.257 -38.989,24.003 -39.878,24.892 -39.878,25.273
  region net VIN: -4.826,16.637 -4.826,14.732 -4.445,14.351 -1.397,14.351 -1.016,14.732 -1.016,16.637 -1.397,17.018 -4.445,17.018
  region net GND: -5.791,5.105 -5.969,4.928 -5.969,3.81 -5.918,3.759 -4.318,3.759 -4.267,3.81 -4.267,4.902 -4.47,5.105
  region net GND: -19.152,5.055 -19.279,4.928 -19.279,3.861 -19.202,3.785 -17.501,3.785 -17.424,3.861 -17.424,4.953 -17.526,5.055
  region net 0V9: -20.701,3.099 -20.701,2.134 -20.574,2.007 -13.335,2.007 -13.106,2.235 -13.106,3.226 -13.31,3.429 -20.371,3.429
  region net 3V3: -10.185,3.073 -10.185,2.184 -10.008,2.007 -7.036,2.007 -6.579,1.549 -4.267,1.549 -4.115,1.702 -4.115,3.124 -4.318,3.327 -9.931,3.327
  region: -10.16,2.769
  region net 1V8: -13.411,13.284 -13.411,11.608 -12.522,11.608 -12.294,11.836 -7.391,11.836 -7.112,12.116 -7.112,13.411 -7.595,13.894 -10.541,13.894 -10.643,13.792 -12.903,13.792
  pour cut-out: -9.652,18.212 -9.728,18.136 -9.728,13.97 -8.255,13.97 -8.56,14.275 -8.56,17.983
  pour cut-out: -16.866,4.853 -16.866,3.378 -14.503,3.378 -14.503,4.674 -14.656,4.826
  pour cut-out: -16.586,11.252 -16.586,11.074 -17.17,10.49 -16.866,10.185 -16.866,10.058 -16.535,10.058 -16.053,10.541 -16.205,10.693 -16.205,11.049
  pour cut-out: -20.015,10.541 -19.355,9.881 -19.279,9.881 -19.279,9.957 -18.364,10.871 -19.101,11.608 -19.126,11.608
  pour cut-out: -17.399,12.979 -17.399,11.684 -15.621,11.684 -15.392,11.455 -14.656,11.455 -14.656,12.979 -14.732,13.056
  pour cut-out: -26.34,14.935 -26.467,14.808 -26.467,13.945 -25.502,12.979 -25.146,13.335 -24.994,13.335 -24.994,14.275 -25.654,14.935
  pour cut-out: -28.807,11.028 -28.807,7.675 -25.658,4.525 -25.505,4.525 -25.124,4.906 -27.105,6.888 -27.105,10.799 -28.147,11.841
  pour cut-out: -36.322,11.608 -39.319,8.611 -39.319,7.696 -38.71,7.087 -36.678,7.087 -36.678,8.23 -34.315,10.592 -34.95,11.227 -34.95,11.938
  pour cut-out: -38.354,15.799 -38.354,13.868 -38.278,13.792 -38.075,13.995 -35.458,13.995 -35.458,15.24 -34.798,15.9 -35.001,16.104 -35.001,16.535 -37.135,16.535 -37.262,16.408
  pour cut-out: -40.361,21.057 -40.361,18.542 -40.234,18.415 -35.941,18.415 -35.941,19.126 -35.509,19.558 -37.186,21.234 -38.303,21.234
  pour cut-out: -39.091,8.585 -39.116,8.56 -39.116,7.595 -40.589,7.595 -40.64,7.645 -40.488,7.798 -40.488,8.534
  pour cut-out: -40.462,14.91 -40.462,14.097 -40.335,13.97 -40.234,14.072 -38.354,14.072 -38.354,15.443
  pour cut-out: -26.238,29.54 -26.162,29.464 -26.162,25.857 -17.348,25.857 -17.17,26.035 -17.17,29.54
  pour cut-out: -25.07,17.018 -25.07,16.535 -23.571,15.037 -22.606,15.037 -22.606,16.027 -23.546,16.967 -24.562,16.967
  pour cut-out: -11.328,16.631 -11.328,14.503 -9.855,14.503 -9.754,14.402 -9.754,16.688
  pour cut-out: -14.605,16.739 -14.605,14.503 -14.427,14.326 -12.903,14.326 -12.903,16.586 -13.005,16.688
  pour cut-out: -17.323,15.646 -17.247,15.57 -17.247,12.954 -15.519,12.954 -15.469,12.903 -15.367,13.005 -15.367,15.723
  pour cut-out: -25.07,15.392 -23.851,14.173 -23.851,13.767 -23.216,13.767 -22.733,14.249 -22.733,14.707 -23.52,14.707 -24.13,15.316
  pour cut-out: -27.584,7.264 -27.584,7.214 -25.248,4.877 -23.571,6.553 -23.571,6.629 -23.647,6.629 -25.908,8.89
  pour cut-out: -13.005,4.902 -13.005,2.032 -10.668,2.032 -10.643,2.057 -10.643,4.902
  pour cut-out: -45.034,30.124 -45.034,0.076 -44.856,-0.102 -40.462,-0.102 -40.462,30.067
  region net VBUS: -12.065,25.07 -10.337,25.07 -10.164,25.243 -10.164,26.183 -11.789,26.183 -11.925,26.047 -11.925,25.999 -12.102,25.999
PWR:
  region net 3V3: -4.343,6.553 -4.267,6.477 -3.632,6.477 -3.607,6.502 -3.607,6.985 -3.759,7.137 -4.216,7.137 -4.343,7.01
Bottom Layer:
  rectangle net VBUS: -11.789,24.946 -9.757,26.97
  rectangle net GND: -11.789,27.478 -8.868,28.24
  pour cut-out: -28.368,14.347 -27.394,13.373 -27.864,12.903 -28.753,13.792 -29.058,13.792
  pour cut-out: -22.123,1.168 -22.123,0.102 -22.022,0 -21.869,0.152 -19.812,0.152 -19.812,1.143 -19.609,1.346
  pour cut-out: -45.06,30.023 -45.06,-0.102 -40.615,-0.102 -40.615,29.985
  region: -11.789,28.24
  region net 0V9: -32.145,16.302 -30.766,17.681 -28.009,14.923 -29.388,13.544

## Silkscreen, mask and mechanical layers (free items; w line width, h text height)
Bottom Overlay:
  text "DVP" at -18.967,4.436 h1.52
  text "JLCJLCJLC" at -27.559,2.54 h1
  text "LCD" at -7.513,2.118 h1.52 r270
Mechanical 1:
  the board outline again, w0.254
Drill Drawing:
  lines w0.152: -41.91,2.19 -43.993,2.19 -43.993,18.11 -40.462,18.11 ccw(c-40.462,18.872) -40.462,19.634 -43.993,19.634 -43.993,27.864 -41.91,27.864 ccw(c-41.91,29.032) -40.742,29.032 -40.742,30.048 -39.726,30.048 ; -41.885,2.184 cw(c-41.885,1.016) -40.716,1.016 -40.716,0 -39.732,0 ; -39.726,0 -4.572,0 cw(c-4.851,-2.134) -2.852,-1.339 ; -39.7,30.048 0,30.048 0,4.572 ccw(c2.134,4.851) 1.339,2.852 ; -2.86,-1.318 ccw(c0,0) 1.347,2.847

## Dimensions
0,30.048 to 0,-3.15 on Drill Drawing
-43.993,2.19 to 3.15,0 on Drill Drawing